# Altium PCB STM32unitV1.PcbDoc (part 2 of 4)
Units mm, origin at the board's own origin, x right, y up, seen from the top; angles counter-clockwise.
Board outline 206 x 142 mm, 2 copper layers (Top Layer, Bottom Layer); 234 components, 216 nets, 930 pads, 890 vias.
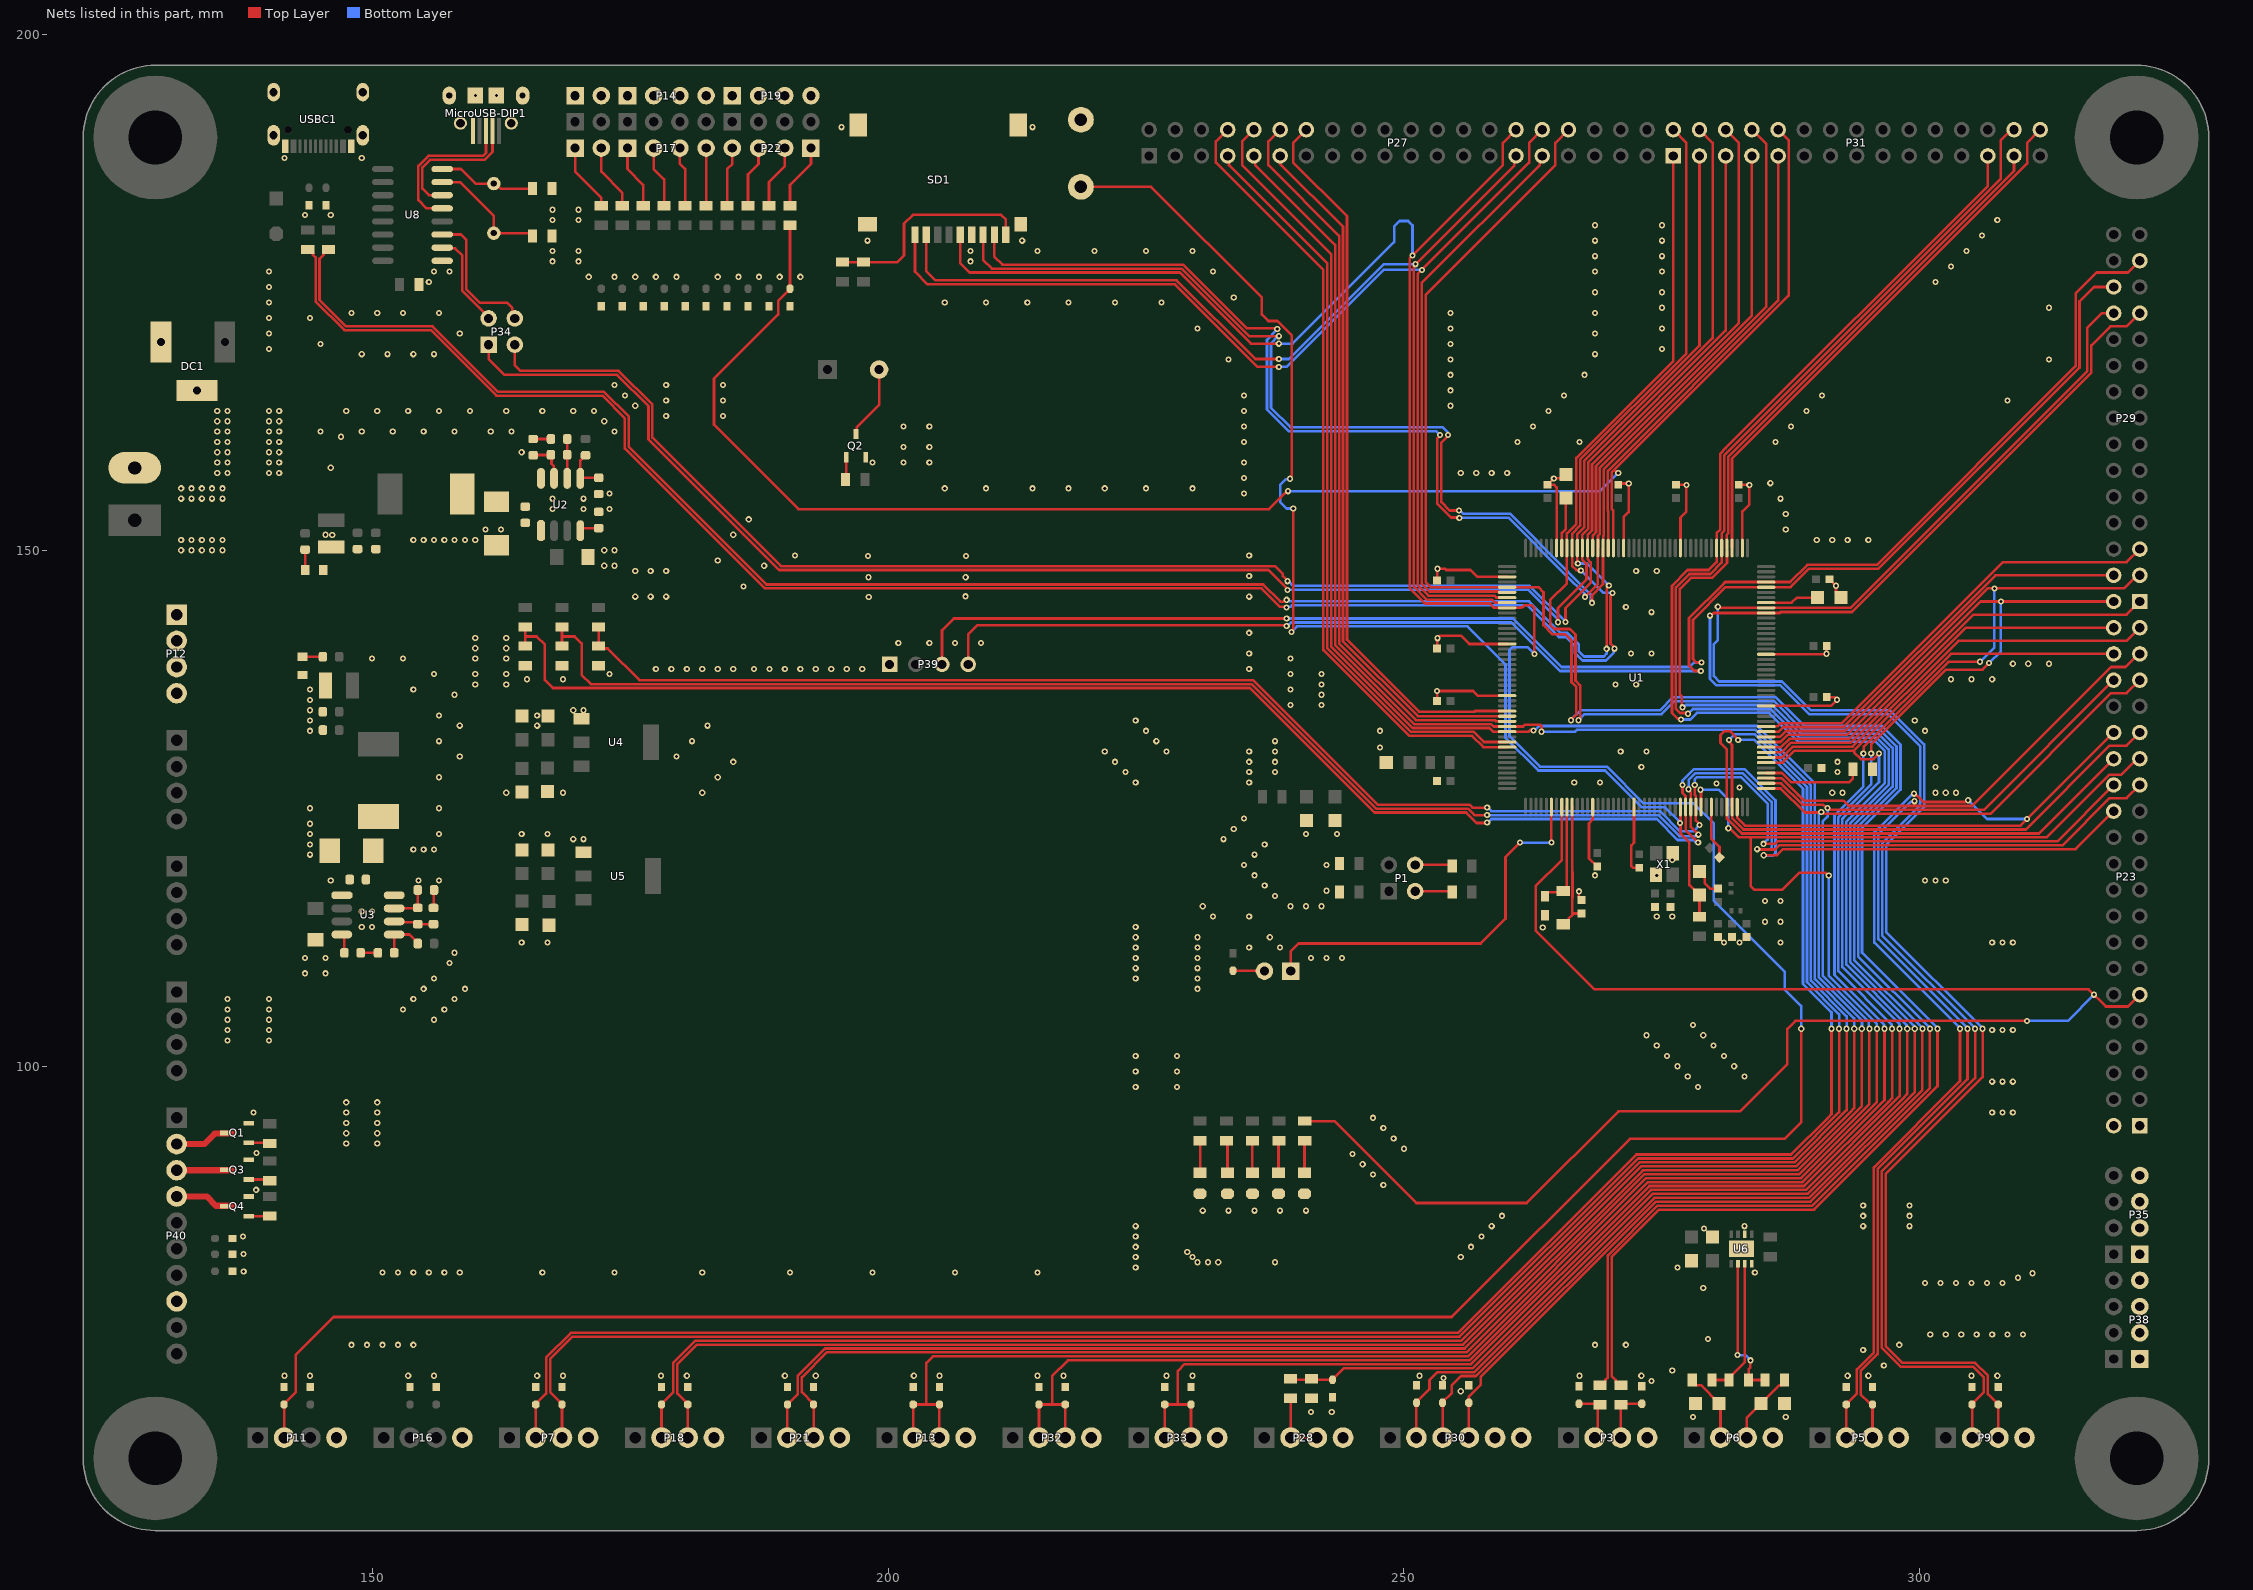
[diagram p2: the nets of this part, all layers, seen from the top]

## Via types
v1: diameter 0.6, hole 0.3, Top Layer to Bottom Layer, tented both sides, 860 vias
v2: diameter 1.27, hole 0.711, Top Layer to Bottom Layer, tented both sides, 30 vias

## Nets (pads, with @x,y where several pads share a name; then routed paths per layer and width w, separated by ;. In a path a pad name is that pad's centre, name@x,y a point inside that pad or via, vN(x,y) a via of type N, cw(c..) or ccw(c..) an arc to the next point about the centre after c; other vN are vias at no path point) (continued)
GND: C1.2 C2.1 C3.1 C4.1 C5.1 C6.1 C7.1 C8.1 C9.2 C10.1 C12.1 C14.1 C15.1 C16.1 C17.2 C18.1 C19.1 C20.2 C21.2 C22.1 C24.1 C26.1 C27.2 C28.2 C29.1 C30.1 C31.1 C32.1 C33.1 C34.1 C35.1 C36.1 C37.1 C38.1 C39.1 C40.1 C41.1 C42.1 C43.1 C44.1 C45.2 C46.1 C47.2 C48.1 C49.2 C50.1 C51.2 C52.1 C53.2 C54.2 C55.1 C57.1 C58.1 C75.1 C76.1 C77.1 D2.1 D3.1 D4.1 D6.1 D7.1 D8.1 D9.1 D10.1 D11.1 D12.1 D13.1 D14.1 D15.1 D16.1 D17.1 D18.1 D19.1 D20.1 D21.1 D22.1 D23.1 D25.1 D26.1 D27.1 D28.1 D29.1 D30.1 D31.1 D32.1 D33.1 D34.1 D35.1 D36.1 D37.1 D38.1 D39.1 D40.1 D41.1 D42.1 D43.1 D44.1 D45.1 D46.1 DC1.2 DC1.3 DS1.2 DS2.2 DS3.2 DS4.2 DS5.2 J1.2 LED1.2 LED2.2 MicroUSB-DIP1.0@157.48,194.056 MicroUSB-DIP1.0@158.565,191.389 MicroUSB-DIP1.0@160.02,194.056 MicroUSB-DIP1.0@162.052,194.056 MicroUSB-DIP1.0@163.492,191.389 MicroUSB-DIP1.0@164.592,194.056 MicroUSB-DIP1.5 P3.4 P5.4 P6.4 P7.4 P9.4 P11.4 P12.1 P12.2 P12.3 P12.4 P13.4 P14.1 P14.2 P14.3 P14.4 P16.4 P18.4 P19.1 P19.2 P19.3 P19.4 P21.4 P23.1 P23.2 P24.1 P24.2 P28.4 P30.5 P30.6 P32.4 P33.4 P35.1 P35.2 P35.3 P35.4 P38.1 P38.2 P38.3 P38.4 P39.1 P40.8 Q1.2 Q2.2 Q3.2 Q4.2 R7.2 R9.1 R10.2 R16.1 R18.1 R21.1 R22.1 R24.1 R77.1 R79.1 R80.1 S1.2 SD1.6 SD1.10 SD1.11 SD1.12 SD1.13 U1.14 U1.22 U1.37 U1.61 U1.71 U1.90 U1.102 U1.113 U1.126 U1.135 U1.148 U1.158 U2.7 U3.7 U4.1 U5.1 U6.2 U6.8 U6.9 U8.1 USBC1.0 USBC1.A1 USBC1.A12 USBC1.B1 USBC1.B12 X1.2 X1.4 | length 105.3
  Top Layer w0.127: v1@310.885,79.913 v1(310.904,79.932)
  Top Layer w0.254: USBC1.A12@141.43,189.147 USBC1.B1@141.73,189.147 ; USBC1.B12@147.83,189.147 USBC1.A1@148.13,189.147 ; C28.2@148.898,110.983 R21.1@150.568,110.983 ; U3.7@152.146,115.301 152.167,115.322 154.411,115.322 C27.2@154.432,115.343 R22.1@154.432,117.079 ; R18.1@165.608,159.204 165.635,159.231 167.305,159.231 C17.2@167.332,159.258 167.386,159.204 167.386,158.369 167.609,158.146 167.609,157.003 U2.7@167.64,156.972 ; C31.1@253.208,135.382 253.21,135.384 v1(253.21,136.362) 256.703,136.362 257.147,135.918 U1.158@259.992,135.918 ; C35.1@253.208,140.462 253.208,141.448 253.492,141.732 255.524,141.732 256.338,140.918 U1.148@259.992,140.918 ; C41.1@253.208,147.066 253.238,147.096 v1(253.238,148.209) 253.969,148.209 254.096,148.082 256.445,148.082 257.109,147.418 U1.135@259.992,147.418 ; U1.126@264.792,150.218 264.792,156.084 264.524,156.352 C36.1@263.906,156.352 v1(264.519,156.965) 265.296,156.965 C4.1@265.684,157.353 ; v1(266.95,116.95) 266.954,116.946 266.954,116.352 C8.1@267.208,116.098 ; U1.14@268.292,125.118 268.292,123.893 267.935,123.536 267.935,120.147 C34.1@268.732,119.35 ; C37.1@270.764,156.352 270.876,156.464 v1(271.78,156.464) 271.78,153.698 271.292,153.21 U1.113@271.292,150.218 ; U1.22@272.292,125.118 272.292,121.67 272.034,121.412 272.034,119.38 272.183,119.231 272.789,119.231 C33.1@272.796,119.238 ; C38.1@276.352,156.352 276.367,156.337 v1(277.368,156.337) 277.368,153.742 276.792,153.166 U1.102@276.792,150.218 ; C6.1@278.638,118.872 279.146,118.364 279.146,117.736 279.676,117.206 C18.1@280.416,117.206 ; U1.37@279.792,125.118 279.792,122.036 280.573,121.255 C32.1@280.573,120.239 ; C42.1@282.448,156.352 282.463,156.337 v1(283.464,156.337) 283.464,154.432 282.792,153.76 U1.90@282.792,150.218 ; U1.61@285.092,134.918 291.382,134.918 v1(291.973,135.509) 291.861,135.621 291.859,135.621 291.716,135.763 C39.1@290.972,135.763 ; U1.71@285.092,139.918 285.101,139.927 290.889,139.927 v1(290.934,139.972) ; v1@290.934,139.949 290.934,140.678 C44.1@290.972,140.716 ; C43.1@291.226,147.193 v1(291.861,146.558) 291.861,145.923 C5.1@292.369,145.415
  other v1: 278,66 287,66 241,66.5 243,66.5 255.5,68.5 274,69.5 253.844,69.798 141.5,70 144,70 153.5,70 156,70 166,70 168.5,70 178,70 180.5,70 190,70 193,70 202.5,70 205,70 214.5,70 217,70 227,70 229.5,70 251.5,70 267,70 273,70 293,70 295,70 305,70 307.5,70 276,70.5 296.5,71 294.5,72.5 148,73 149.5,73 151,73 152.5,73 154,73 268.5,73 271.5,73 298,73 279.458,73.577 301,74 302.5,74 304,74 305.5,74 307,74 308.5,74 310,74 279,78.5 300.5,79 302,79 303.5,79 305,79 306.5,79 308,79 309.5,79.5 151,80 152.5,80 154,80 155.5,80 157,80 158.5,80 166.5,80 173.5,80 182,80 190.5,80 198.5,80 206.5,80 214.5,80 284,80 137.559,80.119 224,80.5 276.5,80.5 230,81 231,81 232,81 237.5,81 224,81.5 229.5,81.5 255.5,81.5 137.54,81.802 229,82 224,82.5 256.5,82.5 137.5,83.5 224,83.5 257.5,83.5 279.066,84.286 224,84.5 258.5,84.5 283,84.5 294.5,84.5 299,84.5 259.5,85.5 294.5,85.5 299,85.5 230.5,86 233,86 235.5,86 238,86 240.5,86 294.5,86.5 299,86.5 138.769,88.021 248,88.5 247,89.5 246,90.5 245,91.5 138.804,91.6 250,92 147.5,92.5 150.5,92.5 249,93 147.5,93.5 150.5,93.5 248,94 147.5,94.5 150.5,94.5 247,95 138.5,95.5 147.5,95.5 150.5,95.5 307,95.5 308,95.5 309,95.5 147.5,96.5 150.5,96.5 224,98 228,98 278.5,98 307,98.5 308,98.5 309,98.5 277.5,99 283,99 224,99.5 228,99.5 276.5,100 282,100 224,101 228,101 275.5,101 281,101 274.5,102 280,102 136,102.5 140,102.5 273.5,103 279,103 136,103.5 140,103.5 307,103.5 308,103.5 309,103.5 278,104 136,104.5 140,104.5 156,104.5 136,105.5 140,105.5 153,105.5 157,105.5 136,106.5 140,106.5 154,106.5 158,106.5 155,107.5 159,107.5 230,107.5 156,108.5 224,108.5 230,108.5 143.5,109 145.5,109 224,109.5 230,109.5 157.5,110 143.5,110.5 145.5,110.5 224,110.5 230,110.5 241,110.5 242.5,110.5 244,110.5 158,111 224,111.5 230,111.5 235,111.5 238,111.5 164.5,112 167,112 281,112 282.5,112 286.5,112 307,112 308,112 309,112 224,112.5 230,112.5 237,112.5 263.45,113.45 149,113.5 150,113.5 224,113.5 285,114 286.5,114 231.5,114.5 235,114.5 274.5,114.5 276,114.5 149,115 150,115 230.5,115.5 239,115.5 240.5,115.5 242,115.5 285,116 286.5,116 237.5,116.5 242.5,117 236.5,117.5 146,118 154.5,118 156.5,118 300.5,118 301.5,118 302.5,118 235.5,118.5 268.5,118.5 274.5,118.5 234.5,119.5 242.5,119.5 276,120 144,120.5 235.5,120.5 154,121 155,121 156,121 144,121.5 236.5,121.5 169.5,122 170.5,122 232.5,122 144,122.5 156.5,122.5 164.5,122.5 167,122.5 240.5,122.5 243.5,122.5 233.5,123 144,123.5 234.5,124 144,125 156.5,125 163,126.5 168.5,126.5 182,126.5 291.5,126.5 292.5,126.5 301.5,126.5 302.5,126.5 303.5,126.5 282.5,127 280.271,127.385 224,127.5 235,127.5 266.5,127.5 269,127.5 156.5,128 183.5,128 223,128.5 235,128.5 237.5,128.5 292,128.5 273,129 301.5,129 185,129.5 222,129.5 235,129.5 237.5,129.5 292,129.5 158.5,130 179.5,130 221,130.5 227,130.5 235,130.5 237.5,130.5 271,130.5 273.5,130.5 247.688,130.896 156.5,131.5 181,131.5 226,131.5 237.5,131.5 144,132.5 225,132.5 247.681,132.503 300.5,132.5 158.5,133 166,133 182.5,133 144,133.5 224,133.5 299.5,133.5 156.5,134 166,134 144,134.5 169.5,134.5 170.5,134.5 239,135 242,135 144,135.5 158,136 242,136 144,136.5 154,136.5 239,136.5 160,137 163,137 242,137 270.5,137 272.5,137 165,137.5 168.5,137.5 303,137.5 305,137.5 307,137.5 156,138 160,138 163,138 173,138 239,138 242,138 177.5,138.5 179,138.5 180.5,138.5 182,138.5 183.5,138.5 185,138.5 187,138.5 188.5,138.5 190,138.5 191.5,138.5 193,138.5 194.5,138.5 196,138.5 197.5,138.5 235,138.5 309,139 310.5,139 312.5,139 150,139.5 153,139.5 160,139.5 163,139.5 239,139.5 235,140 272,140 274,140 160,140.5 163,140.5 201,141 204,141 206.5,141 209,141 253.238,141.478 160,141.5 163,141.5 235,142 274,144 271.5,144.5 198.131,145.474 175.5,145.5 177,145.5 178.5,145.5 235,145.5 207.515,145.535 186,146.5 198.11,147.381 207.527,147.389 235,147.5 175.5,148 177,148 178.5,148 272.5,148 274.5,148 172.5,148.5 173.5,148.5 188,148.5 183.5,149 207.552,149.429 198.07,149.449 191,149.5 235,149.5 131.5,150 132.5,150 133.5,150 134.5,150 135.5,150 172.5,150 173.5,150 131.5,151 132.5,151 133.5,151 134.5,151 135.5,151 154,151 155,151 156,151 157,151 158,151 159,151 160,151 290,151 291.5,151 293,151 295,151 146.139,151.489 145.5,151.5 185,151.5 161,152 162.5,152 287,152 186.5,153 287,153.5 167.5,154 170.5,154 173,154 131.5,155 132.5,155 133.5,155 134.5,155 135.5,155 167.5,155 170.5,155 286.5,155 173,155.5 234.5,155.5 131.5,156 132.5,156 133.5,156 134.5,156 135.5,156 205.5,156 209.5,156 214,156 217.5,156 221,156 225,156 229.5,156 285.5,156.5 234.5,157 135,157.5 136,157.5 140,157.5 141,157.5 255.5,157.5 257,157.5 258.5,157.5 260,157.5 146,158 135,158.5 136,158.5 140,158.5 141,158.5 198.5,158.5 201.5,158.5 204,158.5 234.5,158.5 135,159.5 136,159.5 140,159.5 141,159.5 164.5,159.5 201.5,160 204,160 135,160.5 136,160.5 140,160.5 141,160.5 234.5,160.5 261,160.5 267,160.5 286,160.5 147,161 135,161.5 136,161.5 140,161.5 141,161.5 145,161.5 149,161.5 152,161.5 155,161.5 158,161.5 161.5,161.5 163.5,161.5 173.5,161.5 201.5,162 204,162 234.5,162 262.5,162 287.5,162 135,162.5 136,162.5 140,162.5 141,162.5 172.5,162.5 178.5,163 184,163 135,163.5 136,163.5 140,163.5 141,163.5 147.5,163.5 150.5,163.5 153.5,163.5 156.5,163.5 159.5,163.5 163,163.5 166.5,163.5 169.5,163.5 171.5,163.5 234.5,163.5 264,163.5 289,163.5 175.5,164 254.5,164 178.5,164.5 184,164.5 308.5,164.5 174.5,165 234.5,165 265.5,165 290.5,165 254.5,165.5 173.5,166 178.5,166 184,166 254.5,167 267.5,167 233,168.5 254.5,168.5 312.5,168.5 149,169 151.5,169 154,169 156,169 268.5,169 140,169.5 275,169.5 145,170 254.5,170 140,171 158.5,171 268.5,171 230,171.5 254.5,171.5 275,171.5 140,172.5 144,172.5 148,173 150.5,173 153,173 156.5,173 254.5,173 268.5,173 275,173.5 312.5,173.5 140,174 205.5,174 209.5,174 213.5,174 217.5,174 222,174 226.5,174 233.5,174.5 268.5,175 275,175 140,175.5 155.5,176 301.5,176 171,176.5 173.5,176.5 175.5,176.5 177.5,176.5 179.5,176.5 183.5,176.5 185.5,176.5 187.5,176.5 189.5,176.5 191.5,176.5 140,177 156,177 157.5,177 231.5,177 268.5,177 275,177 303,177.5 167.5,178 170,178 208,178 268.5,178.5 275,178.5 167.5,179 170,179 208,179 214.5,179 220,179 225,179 229.5,179 304.5,179 198,180 213,180 268.5,180 275,180 306,180.5 268.5,181.5 275,181.5 167.5,182 170,182 307.5,182 143.5,182.5 146,182.5 167.5,183 170,183 141.5,188 149,188 195.5,191 214,191 160.02,194.056 162.052,194.056
I2C1_SCL_B6: D44.2 P18.2 P27.9 U1.164 | length 267.5
  Top Layer w0.254: P18.2@178.054,64.008 D44.2@178.054,67.222 178.054,67.272 179.197,68.415 179.197,71.278 181.325,73.406 255.562,73.406 272.834,90.678 287.84,90.678 292.898,95.736 v1(292.898,103.632) ; P27.9@235.458,188.214 235.585,188.087 235.585,187.325 243.332,179.578 243.332,140.812 250.988,133.156 258.445,133.156 258.683,132.918 U1.164@259.992,132.918 261.548,132.918 261.724,133.094 263.171,133.094 263.338,132.927 v1(263.338,132.415)
  Bottom Layer w0.254: v1(263.338,132.415) 266.587,132.415 266.76,132.588 284.068,132.588 289.433,127.223 289.433,108.296 292.898,104.832 v1(292.898,103.632)
I2C1_SDA_B7: D43.2 P18.3 P27.10 U1.165 | length 271.9
  Top Layer w0.254: P18.3@180.594,64.008 D43.2@180.594,67.222 180.594,67.272 179.578,68.288 179.578,71.12 181.483,73.025 255.72,73.025 272.992,90.297 287.998,90.297 293.279,95.578 293.631,95.931 v1(293.631,103.632) ; P27.10@235.458,190.754 234.315,189.611 234.315,187.325 242.951,178.689 242.951,140.654 250.83,132.775 258.287,132.775 258.644,132.418 U1.165@259.992,132.418 262.085,132.418 262.255,132.588 262.509,132.588 v1(262.557,132.54)
  Bottom Layer w0.254: v1(262.557,132.54) 262.651,132.54 263.08,132.969 284.226,132.969 289.814,127.381 289.814,108.454 293.631,104.637 v1(293.631,103.632)
IIC2_SCL_H4: D46.2 P21.2 P23.35 U1.45 | length 193.3
  Top Layer w0.254: P21.2@190.246,64.008 D46.2@190.246,67.222 191.262,68.238 191.262,70.008 193.898,72.644 255.878,72.644 273.15,89.916 288.156,89.916 294.365,96.126 v1(294.365,103.632) ; U1.45@285.092,126.918 286.509,126.918 288.84,124.587 290.391,124.587 v1(290.437,124.633) 290.53,124.633 290.703,124.46 306.832,124.46 318.516,136.144 320.04,136.144 P23.35@321.31,137.414
  Bottom Layer w0.254: v1(290.437,124.633) 290.195,124.391 290.195,108.612 294.386,104.421 294.386,103.653 v1(294.365,103.632)
IIC2_SDA_H5: D45.2 P21.3 P23.36 U1.46 | length 191.4
  Top Layer w0.254: P21.3@192.786,64.008 D45.2@192.786,67.222 192.786,67.272 191.643,68.415 191.643,69.85 194.056,72.263 256.036,72.263 273.308,89.535 288.313,89.535 294.746,95.968 295.099,96.321 v1(295.099,103.632) ; U1.46@285.092,127.418 286.547,127.418 288.616,125.349 290.627,125.349 v1@290.987,124.989 ; v1(291.056,125.014) 291.15,125.014 291.323,124.841 306.197,124.841 P23.36@318.77,137.414
  Bottom Layer w0.254: v1(291.056,125.014) 291.056,124.178 290.576,123.698 290.576,108.77 295.033,104.313 295.033,103.698 v1(295.099,103.632)
IIC3_SCL_H7: P29.26 P39.3 U1.84 | length 142.2
  Top Layer w0.254: P39.3@205.232,138.938 205.232,142.24 206.375,143.383 v1(238.633,143.383) ; v1(278.828,139.129) 278.32,139.129 278.003,139.446 278.003,143.256 281.165,146.418 U1.84@285.092,146.418 287.453,146.418 289.244,148.209 295.975,148.209 315.468,167.702 315.468,174.117 316.865,175.514 P29.26@318.77,175.514
  Bottom Layer w0.254: v1(238.633,143.383) 260.574,143.383 265.273,138.684 277.684,138.684 278.129,139.129 v1(278.828,139.129)
IIC3_SDA_H8: P29.27 P39.4 U1.85 | length 144.5
  Top Layer w0.254: P39.4@207.772,138.938 207.772,141.859 208.661,142.748 238.311,142.748 238.337,142.722 238.567,142.722 v1(238.633,142.656) ; v1(278.765,138.303) 278.13,138.303 277.622,138.811 277.622,143.414 281.007,146.799 281.126,146.918 287.415,146.918 289.087,148.59 295.818,148.59 315.087,167.859 315.087,174.879 317.119,176.911 320.167,176.911 P29.27@321.31,178.054
  Bottom Layer w0.254: v1(238.633,142.656) 238.727,142.656 239.073,143.002 260.416,143.002 265.115,138.303 v1(278.765,138.303)
NetC4_2: C4.2 U1.125 | length 5
  Top Layer w0.254: U1.125@265.292,150.218 265.292,151.672 265.684,152.064 C4.2@265.684,155.067
NetC5_2: C5.2 U1.81 | length 5.2
  Top Layer w0.254: U1.81@285.092,144.918 287.57,144.918 288.067,145.415 C5.2@290.083,145.415
NetC11_1: C11.1 U2.1
NetC11_2: C11.2 D2.2 L1.2 U2.8
NetC13_1: C13.1 R18.2 | length 1.7
  Top Layer w0.254: R18.2@165.608,160.782 C13.1@167.332,160.782
NetC13_2: C13.2 C17.1 U2.6 | length 3.8
  Top Layer w0.254: U2.6@168.91,156.972 C17.1@168.91,159.258 C13.2@168.91,160.782
NetC20_1: C20.1 U2.4 | length 1.9
  Top Layer w0.254: U2.4@170.18,151.892 170.18,151.911 170.415,152.146 C20.1@171.958,152.146
NetC23_1: C23.1 U3.1
NetC23_2: C23.2 D3.2 L3.2 U3.8
NetC25_1: C25.1 R22.2 | length 1.8
  Top Layer w0.254: C25.1@155.956,115.343 155.983,115.37 155.983,117.052 R22.2@156.01,117.079
NetC25_2: C25.2 C27.1 U3.6 | length 3.9
  Top Layer w0.254: U3.6@152.146,114.031 152.243,113.934 154.263,113.934 C27.1@154.432,113.765 C25.2@155.956,113.765
NetC28_1: C28.1 U3.4 | length 1.9
  Top Layer w0.254: U3.4@147.066,112.761 147.085,112.761 147.32,112.526 C28.1@147.32,110.983
NetC54_1: C54.1 P6.2 R40.1 | length 7
  Top Layer w0.254: R40.1@277.942,69.596 277.942,69.405 278.259,69.088 278.765,69.088 C54.1@280.543,67.31 280.67,67.183 P6.2@280.67,64.008
NetC55_2: C55.2 P6.3 R45.1 | length 7.2
  Top Layer w0.254: P6.3@283.21,64.008 283.21,65.913 C55.2@284.607,67.31 286.385,69.088 286.571,69.088 286.888,69.406 R45.1@286.888,69.596
NetC76_2: C76.2 U8.7 X3.1 | length 11.9
  Top Layer w0.254: U8.7@156.799,185.674 158.509,185.674 161.798,182.385 X3.1@161.798,180.734 165.28,180.734 C76.2@165.547,180.467
NetC77_2: C77.2 U8.8 X3.2 | length 9.5
  Top Layer w0.254: U8.8@156.799,186.944 158.623,186.944 160.033,185.534 161.975,185.534 162.47,185.039 C77.2@165.547,185.039
NetD1_2: D1.2 P2.2 | length 3.1
  Top Layer w0.254: D1.2@233.426,109.259 233.446,109.24 236.454,109.24 P2.2@236.474,109.22
NetD8_2: D8.2 P3.3 R34.2 | length 5.3
  Top Layer w0.254: P3.3@271.018,64.008 R34.2@271.018,67.188 271.118,67.288 D8.2@273.05,67.288
NetD10_2: D10.2 P3.2 R32.2 | length 11.1
  Top Layer w0.254: D10.2@266.954,67.288 268.696,67.288 R32.2@268.796,67.188 ; P3.2@268.478,64.008 P3.2@268.796,64.325 ; R32.2@268.986,67.188 R32.2@268.796,67.188 ; P3.2@268.796,64.325 R32.2@268.796,67.188 ; P3.2@268.796,64.325 R32.2@268.796,67.188 ; P3.2@268.796,64.325 R32.2@268.796,67.188
NetDS1_1: DS1.1 R1.1 | length 3.1
  Top Layer w0.254: DS1.1@230.251,89.662 R1.1@230.251,92.776
NetDS2_1: DS2.1 R26.1 | length 3.1
  Top Layer w0.254: DS2.1@237.846,89.662 237.846,92.75 R26.1@237.871,92.776
NetDS3_1: DS3.1 R27.1 | length 3.1
  Top Layer w0.254: DS3.1@235.306,89.662 235.306,92.75 R27.1@235.331,92.776
NetDS4_1: DS4.1 R28.1 | length 3.2
  Top Layer w0.254: R28.1@232.791,92.776 232.893,92.674 DS4.1@232.893,89.662
NetDS5_1: DS5.1 R29.1 | length 3.1
  Top Layer w0.254: DS5.1@240.36,89.662 240.36,92.75 R29.1@240.386,92.776
NetLED1_1: LED1.1 R14.1 | length 2
  Top Layer w0.254: LED1.1@143.51,148.082 R14.1@143.51,150.06
NetLED2_1: LED2.1 R19.1 | length 2
  Top Layer w0.254: LED2.1@143.256,139.685 R19.1@145.234,139.685
NetLS1_2: LS1.2 Q2.3 | length 7.2
  Top Layer w0.254: Q2.3@196.89,161.272 196.985,161.367 196.985,161.933 199.136,164.084 LS1.2@199.136,167.513
NetMicroUSB-DIP1_2: MicroUSB-DIP1.2@161.671,190.635 U8.6 | length 14.2
  Top Layer w0.254: U8.6@156.799,184.404 155.504,184.404 154.869,185.039 154.869,187.096 155.606,187.833 160.909,187.833 161.671,188.595 MicroUSB-DIP1.2@161.671,191.135
NetMicroUSB-DIP1_3: MicroUSB-DIP1.3@161.036,190.635 U8.5 | length 15.7
  Top Layer w0.254: U8.5@156.799,183.134 155.288,183.134 154.488,183.934 154.488,187.254 155.448,188.214 160.751,188.214 161.036,188.499 MicroUSB-DIP1.3@161.036,191.135
NetP1_3: P1.3 R12.2 | length 3.6
  Top Layer w0.254: P1.3@251.079,116.967 254.572,116.967 R12.2@254.672,116.867
NetP1_4: P1.4 R13.1 | length 3.6
  Top Layer w0.254: P1.4@251.079,119.507 254.572,119.507 R13.1@254.672,119.407
NetP2_1: P2.1 U1.6 | length 38.5
  Top Layer w0.254: P2.1@239.014,109.22 239.014,111.125 239.776,111.887 257.429,111.887 259.842,114.3 259.842,120.27 v1(261.238,121.666) ; v1(264.287,121.666) 264.289,121.668 264.289,125.116 U1.6@264.292,125.118
  Bottom Layer w0.254: v1(261.238,121.666) v1(264.287,121.666)
NetP17_1: P17.1 R66.2 | length 6.2
  Top Layer w0.254: P17.1@174.752,188.976 174.752,186.944 176.276,185.42 R66.2@176.276,183.388
NetP17_2: P17.2 R67.2 | length 6
  Top Layer w0.254: P17.2@177.292,188.976 177.292,186.944 178.308,185.928 R67.2@178.308,183.388
NetP17_3: P17.3 R68.2 | length 5.8
  Top Layer w0.254: P17.3@179.832,188.976 179.832,187.452 180.34,186.944 R68.2@180.34,183.388
NetP17_4: P17.4 R69.2 | length 5.6
  Top Layer w0.254: R69.2@182.372,183.388 P17.4@182.372,188.976
NetP22_1: P22.1 R70.2 | length 6.4
  Top Layer w0.254: R70.2@190.5,183.388 190.5,185.42 192.532,187.452 P22.1@192.532,188.976
NetP22_2: P22.2 R71.2 | length 6.2
  Top Layer w0.254: R71.2@188.468,183.388 188.468,185.674 189.992,187.198 P22.2@189.992,188.976
NetP22_3: P22.3 R72.2 | length 6
  Top Layer w0.254: R72.2@186.436,183.388 186.436,186.436 187.452,187.452 P22.3@187.452,188.976
NetP22_4: P22.4 R73.2 | length 5.8
  Top Layer w0.254: R73.2@184.404,183.388 184.404,186.944 184.912,187.452 P22.4@184.912,188.976
NetP26_1: P26.1 R74.2 | length 6.6
  Top Layer w0.254: P26.1@169.672,188.976 169.672,186.69 172.212,184.15 R74.2@172.212,183.388